# Altium PCB 400118.PcbDoc (part 1 of 3) (continued)
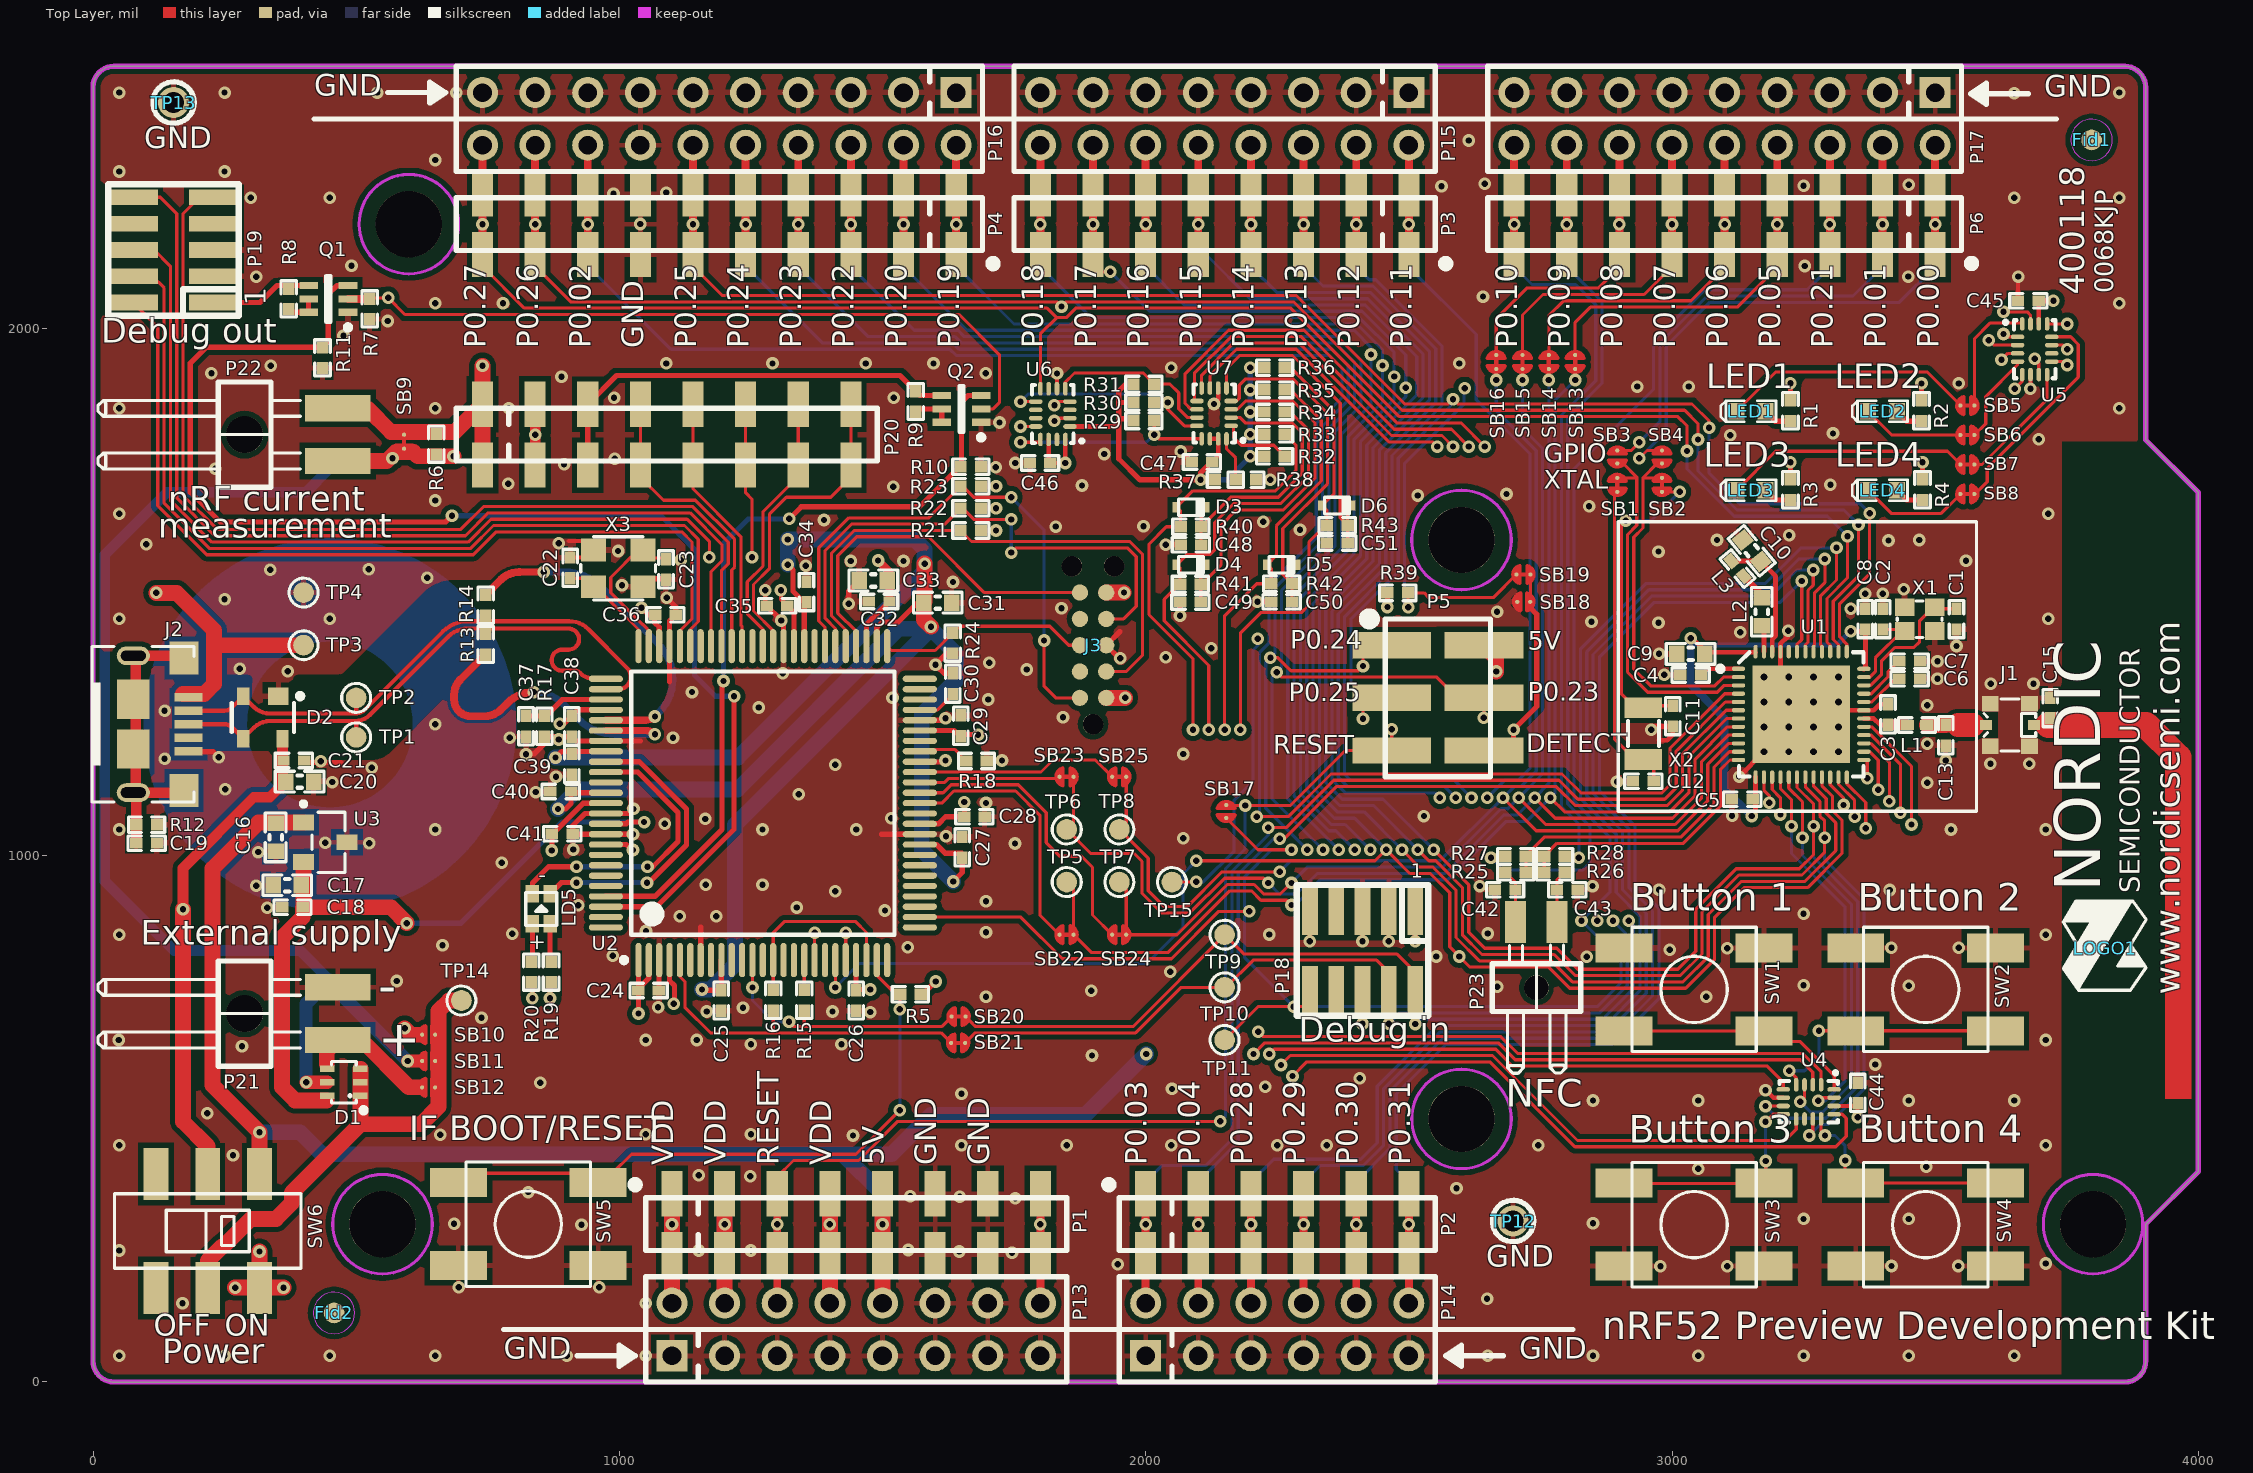
[diagram p0: Top Layer view]
## Footprints (in the part's own frame and the unit in brackets; to place one, negate y for a bottom-side part, rotate by r counter-clockwise, add the part's x,y. Pads: shape width x height; smd on the part's side, far side on the other; paste and mask are expansions set on the pad) (continued)
  rect 50x150 smd: 1(-100,-87.5) 2(-100,87.5) 3(0,-87.5) 4(0,87.5) 5(100,-87.5) 6(100,87.5)
  silkscreen extent -160,-140 150,100, body extent -150,-148 150,148, height 382
NORDIC_LOGO_M [mil] "Medium Nordic Logo"
  silkscreen extent -80,-78 90,80
QFN40P600X600X90-48N [mm] "QFN, 48-Leads, Body 6,0x6,0mm (max), Pitch 0,40mm, IPC Medium Density"
  oval 0.65x0.2 smd: 1(-3.025,2.2) 2(-3.025,1.8) 3(-3.025,1.4) 4(-3.025,1) 5(-3.025,0.6) 6(-3.025,0.2) 7(-3.025,-0.2) 8(-3.025,-0.6) 9(-3.025,-1) 10(-3.025,-1.4) 11(-3.025,-1.8) 12(-3.025,-2.2) 25(3.025,-2.2) 26(3.025,-1.8) 27(3.025,-1.4) 28(3.025,-1) 29(3.025,-0.6) 30(3.025,-0.2) 31(3.025,0.2) 32(3.025,0.6) 33(3.025,1) 34(3.025,1.4) 35(3.025,1.8) 36(3.025,2.2)
  oval 0.2x0.65 smd: 13(-2.2,-3.025) 14(-1.8,-3.025) 15(-1.4,-3.025) 16(-1,-3.025) 17(-0.6,-3.025) 18(-0.2,-3.025) 19(0.2,-3.025) 20(0.6,-3.025) 21(1,-3.025) 22(1.4,-3.025) 23(1.8,-3.025) 24(2.2,-3.025) 37(2.2,3.025) 38(1.8,3.025) 39(1.4,3.025) 40(1,3.025) 41(0.6,3.025) 42(0.2,3.025) 43(-0.2,3.025) 44(-0.6,3.025) 45(-1,3.025) 46(-1.4,3.025) 47(-1.8,3.025) 48(-2.2,3.025)
  rect 4.7x4.7 smd: 49(0,0)
  silkscreen extent -4.02,-3 3,3, body extent -3.02,-3.02 3.02,3.02, height 0.86
RESC1005X04L [mm] "Chip Resistor, 2-Leads, Body 1.0x0.5mm, IPC High Density"
  rect 0.6x0.55 smd: 1(-0.5,0) 2(0.5,0)
  silkscreen extent -0.88,-0.38 0.87,0.37, body extent -0.5,-0.25 0.5,0.25, height 0.3
SOCKET_1x6_SMD [mm] "Socket, 2.54mm, SMD"
  rect 1.02x2.19 smd: 1(0,-1.465) 1(0,1.465) 2(2.54,-1.465) 2(2.54,1.465) 3(5.08,-1.465) 3(5.08,1.465) 4(7.62,-1.465) 4(7.62,1.465) 5(10.16,-1.465) 5(10.16,1.465) 6(12.7,1.465) 6(12.7,-1.465)
  silkscreen extent -1.27,-1.27 13.97,1.27, body extent -1.27,-2.29 13.97,2.29, height 7.47
SOCKET_1x8_SMD [mm] "Socket, 2.54mm, SMD"
  rect 1.02x2.19 smd: 1(0,-1.465) 1(0,1.465) 2(2.54,-1.465) 2(2.54,1.465) 3(5.08,-1.465) 3(5.08,1.465) 4(7.62,-1.465) 4(7.62,1.465) 5(10.16,-1.465) 5(10.16,1.465) 6(12.7,1.465) 6(12.7,-1.465) 7(15.24,-1.465) 7(15.24,1.465) 8(17.78,-1.465) 8(17.78,1.465)
  silkscreen extent -1.27,-1.27 19.05,1.27, body extent -1.27,-2.29 19.05,2.29, height 7.47
SOCKET_1x9_SMD [mm] "Socket, 2.54mm, SMD"
  rect 1.02x2.19 smd: 1(0,1.465) 1(0,-1.465) 2(2.54,-1.465) 2(2.54,1.465) 3(5.08,-1.465) 3(5.08,1.465) 4(7.62,-1.465) 4(7.62,1.465) 5(10.16,-1.465) 5(10.16,1.465) 6(12.7,1.465) 6(12.7,-1.465) 7(15.24,-1.465) 7(15.24,1.465) 8(17.78,-1.465) 8(17.78,1.465) 9(20.32,-1.465) 9(20.32,1.465)
  silkscreen extent -1.27,-1.27 21.59,1.27, body extent -1.26,-2.3 21.6,2.28, height 7.47
SOCKET_1x10_SMD [mm] "Socket, 2.54mm, SMD"
  rect 1.02x2.19 smd: 1(0,1.465) 1(0,-1.465) 2(2.54,-1.465) 2(2.54,1.465) 3(5.08,-1.465) 3(5.08,1.465) 4(7.62,-1.465) 4(7.62,1.465) 5(10.16,-1.465) 5(10.16,1.465) 6(12.7,-1.465) 6(12.7,1.465) 7(15.24,-1.465) 7(15.24,1.465) 8(17.78,-1.465) 8(17.78,1.465) 9(20.32,-1.465) 9(20.32,1.465) 10(22.86,-1.465) 10(22.86,1.465)
  silkscreen extent -1.27,-1.27 24.13,1.27, body extent -1.27,-2.29 24.13,2.29, height 7.47
SOCKET_2x3_SMD-2.54mm-bottom [mm] "Socket, 2.54mm, SMD"
  rect 1.02x2.22 smd far side: 1(-2.54,-2.825) 2(-2.54,2.825) 3(0,-2.825) 4(0,2.825) 5(2.54,-2.825) 6(2.54,2.825)
SOD-523 [mm]
  rect 0.4x0.5 smd: 1(0.7,0) 3(-0.7,0)
  silkscreen extent -0.6,-0.4 0.6,0.4, body extent -0.8,-0.4 0.8,0.4, height 0.7
Solderbridge#1 [mm]
  round 0.2 smd paste-10: 1(0,0) 2(0.625,0)
  Top Layer region: 0.236,-0.432 0.16,-0.505 0.042,-0.467 -0.023,-0.424 -0.097,-0.351 -0.15,-0.292 -0.208,-0.193 -0.236,-0.099 -0.231,0.122 -0.206,0.193 -0.122,0.33 -0.038,0.411 0.054,0.469 0.155,0.5 0.206,0.483 0.236,0.43
  Top Layer region: 0.389,0.432 0.465,0.505 0.583,0.467 0.648,0.424 0.721,0.351 0.775,0.292 0.833,0.193 0.861,0.099 0.856,-0.122 0.831,-0.193 0.747,-0.33 0.663,-0.411 0.571,-0.469 0.47,-0.5 0.419,-0.483 0.389,-0.43
  Top Layer lines w0.152: 0.159,0.431 ccw(c0.27,0) 0.159,-0.431 ; 0.465,0.431 cw(c0.355,0) 0.465,-0.431
Solderbridge#2 [mm]
  round 0.2 smd paste-10: 1(0,0) 2(0.625,0)
  Top Layer region: 0.236,-0.432 0.16,-0.505 0.042,-0.467 -0.023,-0.424 -0.097,-0.351 -0.15,-0.292 -0.208,-0.193 -0.236,-0.099 -0.231,0.122 -0.206,0.193 -0.122,0.33 -0.038,0.411 0.054,0.469 0.155,0.5 0.206,0.483 0.236,0.43
  Top Layer region: 0.389,0.432 0.465,0.505 0.583,0.467 0.648,0.424 0.721,0.351 0.775,0.292 0.833,0.193 0.861,0.099 0.856,-0.122 0.831,-0.193 0.747,-0.33 0.663,-0.411 0.571,-0.469 0.47,-0.5 0.419,-0.483 0.389,-0.43
  Top Layer lines w0.152: 0.465,-0.431 ccw(c0.355,0) 0.774,0.149 ccw(c0.355,0) 0.465,0.431 ; 0.159,-0.431 cw(c0.27,0) -0.175,0 cw(c0.27,0) 0.025,0.371 cw(c0.27,0) 0.159,0.431
Solderbridge_Shorted [mm]
  round 0.2 smd paste-10: 1(0,0) 2(0.676,0)
  Top Layer region: 0.236,-0.432 0.16,-0.505 0.042,-0.467 -0.023,-0.424 -0.097,-0.351 -0.15,-0.292 -0.208,-0.193 -0.236,-0.099 -0.231,0.122 -0.206,0.193 -0.122,0.33 -0.038,0.411 0.054,0.469 0.155,0.5 0.206,0.483 0.236,0.43
  Top Layer region: 0.44,0.432 0.516,0.505 0.634,0.467 0.699,0.424 0.772,0.351 0.826,0.292 0.884,0.193 0.912,0.099 0.907,-0.122 0.881,-0.193 0.798,-0.33 0.714,-0.411 0.622,-0.469 0.521,-0.5 0.47,-0.483 0.44,-0.43
  Top Layer lines w0.152: 0.159,0.431 ccw(c0.27,0) 0.159,-0.431 ; 0.516,0.431 cw(c0.406,0) 0.516,-0.431
  Top Layer lines w0.203: 0,0 0.676,0
SOT65P210X100-6N [mm] "SOT23, 6-Leads, Body 2,2x2,4mm (max), Pitch 0,65mm, IPC Medium Density"
  rect 0.9x0.35 smd: 1(-0.95,0.65) 2(-0.95,0) 3(-0.95,-0.65) 4(0.95,-0.65) 5(0.95,0) 6(0.95,0.65)
  silkscreen extent -1.08,-1.1 0.1,1.5, body extent -1.05,-1 1.05,1, height 0.92
SOT190P230X110-4L [mm] "SOT143, 4-Leads, Body 3.0x2.5mm (max), Pitch 1.90mm, IPC High Density"
  rect 0.85x1 smd: 1(-1.025,0.75)
  rect 0.85x0.6 smd: 2(-1.025,-0.95) 3(1.025,-0.95) 4(1.025,0.95)
  silkscreen extent -1.15,-1.5 0.7,1.93, body extent -1.21,-1.46 1.21,1.46, height 1
SOT-23A [mil] "SOT-23 footprint"
  rect 30x40 smd: 1(0,0) 2(74.8,0) 3(37.4,82.68)
  silkscreen extent -39,-4 94,79, body extent -20,-5 95,87, height 39
SOT-363 [mm] "SOT-363 (SC88)"
  rect 0.3x0.7 smd: 1(0,0) 2(0.65,0) 3(1.3,0) 4(1.3,1.6) 5(0.65,1.6) 6(0,1.6)
  silkscreen extent -0.82,-0.27 1.65,1.4, body extent -0.35,-0.25 1.65,1.85, height 0.93
TC2050-IDC-NLFP [mil]
  round 39 hole 39 unplated: 0(-150,0) 0(150,-40) 0(150,40)
  round 31 smd paste-196.85: 1(-100,-25) 2(-50,-25) 3(0,-25) 4(50,-25) 5(100,-25) 6(100,25) 7(50,25) 8(0,25) 9(-50,25) 10(-100,25)
  Top Layer pour cut-out: -100,25 -100,-25 100,-25 100,25
TESTPAD-TH [mm]
  round 1.5 hole 1: 1(0,0)
  silkscreen extent -1,-1 1,1
TP_SMD_Ø1.0mm [mm]
  round 1 smd paste-5: 1(0,0)
  silkscreen extent -0.7,-0.7 0.7,0.7
TSQFP50P1600X1600X160-100N [mm] "TSQFP, 100-Leads, Body 16,0x16,0mm (max), Pitch 0,50mm, IPC Medium Density"
  oval 1.65x0.3 smd: 1(-7.575,6) 2(-7.575,5.5) 3(-7.575,5) 4(-7.575,4.5) 5(-7.575,4) 6(-7.575,3.5) 7(-7.575,3) 8(-7.575,2.5) 9(-7.575,2) 10(-7.575,1.5) 11(-7.575,1) 12(-7.575,0.5) 13(-7.575,0) 14(-7.575,-0.5) 15(-7.575,-1) 16(-7.575,-1.5) 17(-7.575,-2) 18(-7.575,-2.5) 19(-7.575,-3) 20(-7.575,-3.5) 21(-7.575,-4) 22(-7.575,-4.5) 23(-7.575,-5) 24(-7.575,-5.5) 25(-7.575,-6) 51(7.575,-6) 52(7.575,-5.5) 53(7.575,-5) 54(7.575,-4.5) 55(7.575,-4) 56(7.575,-3.5) 57(7.575,-3) 58(7.575,-2.5) 59(7.575,-2) 60(7.575,-1.5) 61(7.575,-1) 62(7.575,-0.5) 63(7.575,0) 64(7.575,0.5) 65(7.575,1) 66(7.575,1.5) 67(7.575,2) 68(7.575,2.5) 69(7.575,3) 70(7.575,3.5) 71(7.575,4) 72(7.575,4.5) 73(7.575,5) 74(7.575,5.5) 75(7.575,6)
  oval 0.3x1.65 smd: 26(-6,-7.575) 27(-5.5,-7.575) 28(-5,-7.575) 29(-4.5,-7.575) 30(-4,-7.575) 31(-3.5,-7.575) 32(-3,-7.575) 33(-2.5,-7.575) 34(-2,-7.575) 35(-1.5,-7.575) 36(-1,-7.575) 37(-0.5,-7.575) 38(0,-7.575) 39(0.5,-7.575) 40(1,-7.575) 41(1.5,-7.575) 42(2,-7.575) 43(2.5,-7.575) 44(3,-7.575) 45(3.5,-7.575) 46(4,-7.575) 47(4.5,-7.575) 48(5,-7.575) 49(5.5,-7.575) 50(6,-7.575) 76(6,7.575) 77(5.5,7.575) 78(5,7.575) 79(4.5,7.575) 80(4,7.575) 81(3.5,7.575) 82(3,7.575) 83(2.5,7.575) 84(2,7.575) 85(1.5,7.575) 86(1,7.575) 87(0.5,7.575) 88(0,7.575) 89(-0.5,7.575) 90(-1,7.575) 91(-1.5,7.575) 92(-2,7.575) 93(-2.5,7.575) 94(-3,7.575) 95(-3.5,7.575) 96(-4,7.575) 97(-4.5,7.575) 98(-5,7.575) 99(-5.5,7.575) 100(-6,7.575)
  silkscreen extent -7.7,-6.35 6.35,6.82, body extent -8,-8 8,8, height 1.6
XQFN40P180X260X50-16N [mm] "QFN, 16-Leads, Body 1.80x2.60mm, Pitch 0.40mm, IPC Medium Density"
  oval 0.65x0.22 smd paste-0.02 mask+0.062: 1(-0.825,0.6) 2(-0.825,0.2) 3(-0.825,-0.2) 4(-0.825,-0.6) 9(0.825,-0.6) 10(0.825,-0.2) 11(0.825,0.2) 12(0.825,0.6)
  oval 0.22x0.65 smd paste-0.02 mask+0.062: 5(-0.6,-1.225) 6(-0.2,-1.225) 7(0.2,-1.225) 8(0.6,-1.225) 13(0.6,1.225) 14(0.2,1.225) 15(-0.2,1.225) 16(-0.6,1.225)
  silkscreen extent -1.45,-1.4 1,1.4, body extent -0.91,-1.31 0.91,1.31, height 0.55
XTAL_3215 [mm] "XTAL SMD 3.2 x 1.5 mm"
  rect 1x1.8 smd: 1(-1.25,0) 2(1.25,0)
  silkscreen extent -0.6,-0.75 0.6,0.75, body extent -1.6,-0.75 1.6,0.75, height 0.81

## Part data
Bat1: library part "Bat Holder CR2032 SMD", "Bat Holder CR2032 SMD"
C1 C2 C11 C12: library part C0402-12p, "Capacitor, NP0, ±2%"
C3: library part C0402-0.8p, "Capacitor, NP0, ±5%"
C4 C5 C8 C18 C19 C21 C24 C25 C26 C27 C28 C29 C32 C34 C35 C36 C38 C39 C40 C41 C44 C45 C46 C47: library part C0402-100n, "Capacitor, X7R, ±10%"
C6 C13: library part C0402-N.C., "Not mounted"
C7: library part C0402-100p, "Capacitor, NP0, ±5%"
C9: library part C0603-4µ7, "Capacitor, X5R, ±10%"
C10 C16 C17: library part C0603-1µ0, "Capacitor, X7R, ±10%"
C15: library part C0402-1.2p, "Capacitor, NP0, ±0.1pF"
C20 C31 C33: library part C0603-10µ, "Capacitor, X5R, ±20%"
C22 C23: library part C0402-18p, "Capacitor, NP0, ±5%"
C30: library part C0402-10n, "Capacitor, X7R, ±10%"
C37: library part C0402-10p, "Capacitor, NP0, ±2%"
C42 C43: library part C0402-130p, "Chip Cap 0402"
C48 C49 C50 C51: library part C0402-1µ0, "Capacitor, X5R, ±5%"
D1: "Surface Mount Schottky Barrier Diode Array"
D2: "Ultra low capacitance double rail-to-rail ESD protection diode"
D3 D4 D5 D6: "Diode Schottky Vf=0.38, Vr=40V, If=200mA, Ir=500nA"
Fid1 Fid2: library part Fid-Mark, "Fiducial Mark"
J1: "Coaxial Connector with Switch"
J2: library part "FCI 10118193-0001LF", "MicroUSB-B-SMT"
J3: library part TC2050-IDC-NLFP, "CBL PLUG-OF-NAILS 10-PIN"
L1: library part L0402-3n9, "Inductor, 170mA, ±0.1nH"
L2: library part L0603-10µ, "Inductor, 80mA, ±10%"
L3: library part L0402-15n, "Inductor, 320mA, ±5%"
LD5: "Ultra bright AlInGaP Bi-Color LED"
LED1 LED2 LED3 LED4: library part EL19-21SYGC, "LED 0603, EL19-21SYGC"
LOGO1: "Nordic Logo, medium size"
P1 P3: library part "Socket 1x8 SMD", "Socket 1x8, 2.54mm (100mil), SMD"
P2: library part "Socket 1x6 SMD", "Socket 1x6, 2.54mm (100mil), SMD"
P4: library part "Socket 1x10 SMD", "Socket 1x10, 2.54mm (100mil), SMD"
P5: library part "Pin Header 2x3 SMD", "Pin Header 2x3, 2.54mm (100mil) SMD"
P6: library part "Socket 1x9 SMD", "Socket 1x9, 2.54mm (100mil), SMD"
P7 P9 P20: library part "Pin List 1x8 SMD", "Pin List 1x8, 2.54mm (100mil), SMD"
P8: library part "Pin List 1x6 SMD", "Pin List 1x6, 2.54mm (100mil), SMD"
P10: library part "Pin List 1x10 SMD", "Pin List 1x10, 2.54mm (100mil), SMD"
P11: library part "Socket 2x3 SMD Bottom", "Socket 2x3, 2.54mm (100mil), SMD"
P12: library part "Pin List 1x9 SMD", "Pin List 1x9, 2.54mm (100mil), SMD"
P13 P15: "Pin Header 2x8, 2.54mm (100mil)"
P14: "Pin Header 2x6, 2.54mm (100mil)"
P16: "Pin Header 2x10, 2.54mm (100mil)"
P17: "Pin Header 2x9, 2.54mm (100mil)"
P18 P19: library part "Samtec FTSH-105 Keying Shroud", "SAMTEC - CONN HEADER 10POS DUAL .05\" SMD KEYING SHROUD"
P21 P22: library part "Pin List Ang 1x2 SMD, 2.54mm", "Pin List 1x2, 2.54mm (100mil), Right Angled, SMD"
P23: library part "Pin List Ang 1x2 SMD, 2.00mm", "Pin List 1x2, 2.00mm, Right Angled, SMD"
Q1 Q2: library part FDG6321C_IPC, "Fairchild, FDG6321C, Dual N & P Channel Digital FET"
R1 R2 R3 R4 R19 R20: library part R0402-220, "Resistor, ±1%, 0.063W"
R5 R8 R9 R10 R11 R12: library part R0402-10k, "Resistor, ±1%, 0.063W"
R6 R27 R28 R37: library part R0402-N.C., "Not mounted"
R7: library part R0402-47k, "Resistor, ±1%, 0.063W"
R13 R14: library part R0402-39R, "Resistor, ±1%, 0.063W"
R15 R16: library part R0402-150, "Resistor, ±1%, 0.063W"
R17: library part R0402-6k8, "Resistor, ±1%, 0.063W"
R18: library part R0402-1k0, "Resistor, ±1%, 0.063W"
R21 R22 R23 R24 R29 R30: library part R0402-4k7, "Resistor, ±1%, 0.063W"
R25 R26 R38: library part R0402-0R, "Resistor, ±5%, 0.063W"
R31 R32: library part R0402-12k, "Resistor, ±1%, 0.063W"
R33 R34 R35 R36: library part R0402-100k, "Resistor, ±1%, 0.063W"
R39: library part R0402-1M0, "Resistor, ±1%, 0.063W"
R40 R41 R42 R43: library part R0402-18k, "Resistor, ±1%, 0.063W"
SB1 SB2 SB5 SB6 SB7 SB8 SB9 SB13 SB14 SB15 SB16 SB19 SB20 SB21 SB22 SB23 SB24 SB25: library part "Solderbridge Shorted", "Shorted Solderbridge"
SW1 SW2 SW3: library part ALPS_SKHUALE010, "ALPS - SKHUALE010 - TACTILE SWITCH, SPNO, SMD, 6.5x6.2x2.5mm"
SW4 SW5: library part ALPS_SKHUALE010, "ALPS - SKHUALE010 - Tactile Switch, SPNO, SMD, 6.5x6.2x2.5mm"
SW6: library part JS202011SCQN, "SMD slide Switch (ON-ON)"
TP1 TP2 TP3 TP4 TP5 TP6 TP7 TP8 TP9 TP10 TP11 TP14 TP15: library part TP_SMD_Ø1.0MM, "1.0mm circular SMD testpad"
TP12 TP13: library part "Testpoint TH", "Testpoint, through hole"
U1: "Multi-protocol Bluetooth Low Energy and 2.4GHz proprietary system-on-chip"
U2: "IC MCU 32bit 128kB flash 100LQFP"
U3: "300mA, Low Quiescent Current, Fast Transient Low Dropout Linear Regulator"
U4 U5 U6: library part NX3DV2567GU, "Low-ohmic four-pole double-throw analog switch"
U7: library part PCAL6408AHK, "8-bit I2C-bus I/O expander with interrupt output"
X1: library part XTAL_SMD2016_32MHz_8pF_Epson, "XTAL SMD 2016, 32MHz, Cl=8pF, Tol: ±10ppm, Stab: ±10ppm"
X2: library part "XTAL_FC-135 32.768k", "EPSON TOYOCOM - FC-135 32.768KHZ ±20PPM,9.0PF - CRYSTAL, SM, WATCH"
X3: library part "XTAL SMD 12MHz (3225)", "XTAL SMD 3225, 12MHz, 18pF, ±30ppm"

## Free pads (board coordinates)
  round 126 hole 126: 1(549.54,299.07) 1(599.54,2199.07) 1(2599.54,499.07) 1(2599.54,1599.07) 1(3799.54,299.07)

## Via types
v1: diameter 24, hole 12, Top Layer to Bottom Layer, tented both sides, 551 vias
v2: diameter 24, hole 12, Top Layer to Bottom Layer, 21 vias
v3: diameter 25.98, hole 12.99, Top Layer to Bottom Layer, tented both sides, 16 vias

## Nets (pads, with @x,y where several pads share a name; then routed paths per layer and width w, separated by ;. In a path a pad name is that pad's centre, name@x,y a point inside that pad or via, vN(x,y) a via of type N, cw(c..) or ccw(c..) an arc to the next point about the centre after c; other vN are vias at no path point)
ANT: C15.1 J1.3 | length 895.1
  Top Layer w50: 3715.41,1247.62 3900.02,1247.62 3961.41,1186.23 3961.41,562.55
BOOT: R5.1 SW5.1 U2.24 | length 1169.7
  Top Layer w6: SW5.1@720.66,395.81 986.41,395.81 1022.67,432.06 1449.14,432.06 v1(1532.54,515.46) ; U2.24@1488.68,800.84 1488.68,771.92 1524.54,736.06 R5.1@1532.85,736.06 ; v1(1532.54,707.46) R5.1@1532.54,735.75
  Bottom Layer w6: v1(1532.54,515.46) v1(1532.54,707.46)
BUTTON1: SW1.1 U4.16 | length 460.8
  Top Layer w6: SW1.1@2908.66,666.28 3174.41,666.28 3194.23,646.46 3242.2,646.46 3307.66,581.01 U4.16@3307.66,554.54
BUTTON1_EXT: C48.1 D3.3 R40.1 U7.2 | length 533
  Top Layer w6: C48.1@2104.44,1590.24 2104.44,1624.24 R40.1@2105.21,1624.24 ; D3.3@2113.31,1661.24 2105.21,1653.13 R40.1@2105.21,1624.24 ; U7.2@2161.95,1831.59 2179.27,1831.59 2189.77,1821.09 2278.52,1821.09 2297.16,1802.45 2297.16,1726.01 2251.39,1680.24 2161.21,1680.24 R40.1@2105.21,1624.24
BUTTON2: SW2.1 U4.4 | length 484.8
  Top Layer w6: v1(3222.2,590.46) 3235.58,577.09 U4.4@3235.58,563.95 ; v1(3278.66,666.72) 3614.06,666.72 SW2.1@3614.41,666.38
  Bottom Layer w6: v1(3222.2,590.46) 3251.54,590.46 3278.66,617.59 v1(3278.66,666.72)
BUTTON2_EXT: C49.2 D4.3 R41.1 U7.3 | length 706.9
  Top Layer w6: C49.2@2104.3,1481.24 R41.1@2104.3,1515.24 ; D4.3@2113.4,1552.24 2104.3,1543.13 R41.1@2104.3,1515.24 ; U7.3@2161.95,1847.34 2174.02,1847.34 2189.77,1863.09 2279.31,1863.09 2321.16,1821.24 2321.16,1716.06 2261.33,1656.24 2171.99,1656.24 2142.84,1627.09 2142.84,1552.24 2105.84,1515.24 R41.1@2104.3,1515.24
BUTTON3: SW3.1 U4.8 | length 419.2
  Top Layer w6: SW3.1@2908.55,376.66 SW3.1@3174.3,376.66 ; v1(3177.2,493.47) 3191.58,507.84 U4.8@3210.97,507.84 ; SW3.1@3177.55,379.91 v1(3177.55,419.1)
  Bottom Layer w6: v1(3177.2,493.47) 3177.2,419.45 v1(3177.55,419.1)
BUTTON3_EXT: C50.2 D5.3 R42.1 U7.4 | length 681.9
  Top Layer w6: U7.4@2161.95,1863.09 2172.47,1863.09 2177.47,1868.09 2177.47,1892.79 2189.77,1905.09 2279.31,1905.09 2345.16,1839.24 2345.16,1706.12 2259.84,1620.81 2259.84,1533.62 R42.1@2277.53,1515.93 ; C50.2@2277.53,1481.93 R42.1@2277.53,1515.93 ; D5.3@2285.4,1552.24 2277.53,1544.36 R42.1@2277.53,1515.93
BUTTON4: SW4.1 U4.12 | length 425.6
  Top Layer w6: U4.12@3282.82,498.98 3282.82,474.84 v1(3290.2,467.46) ; v1(3328.55,420.1) 3328.55,396.1 3347.55,377.1 SW4.1@3613.3,377.1
  Bottom Layer w6: v1(3290.2,467.46) 3309.18,467.46 3328.55,448.1 v1(3328.55,420.1)
BUTTON4_EXT: C51.1 D6.3 R43.1 U7.5 | length 612.4
  Top Layer w6: U7.5@2153.09,1887.69 2153.09,1924.49 2178.07,1949.46 2278.53,1949.46 2313.08,1914.91 2313.29,1914.91 2318.56,1909.64 ; 2318.56,1909.43 2369.29,1858.7 2369.29,1641.17 R43.1@2383.3,1627.16 ; C51.1@2383.3,1593.16 R43.1@2383.3,1627.16 ; D6.3@2390.4,1664.46 2383.3,1657.36 R43.1@2383.3,1627.16
CTS: SB22.2 U2.38 | length 499.2
  Top Layer w6: U2.38@1570.37,1099.07 1612.08,1099.07 1635.09,1122.07 1752.54,1122.06 1798.54,1076.06 1798.53,886.47 SB22.2@1835.94,849.06
DEC1: C4.1 U1.1 | length 76
  Top Layer w8: C4.1@3054.84,1342.39 3066.69,1354.24 U1.1@3125.91,1354.24
DEC2: C6.1 U1.32 | length 88.3
  Top Layer w6: U1.32@3364.09,1291.25 3379.3,1291.25 3423.67,1335.62 C6.1@3434,1335.62
DEC3: C7.1 U1.33 | length 96
  Top Layer w6: U1.33@3364.09,1306.99 3378.07,1306.99 3410,1338.92 3410,1348.81 C7.1@3429.06,1367.87
DEC4: C10.2 L3.1 U1.46 | length 241.3
  Top Layer w9: L3.1@3112.01,1558.95 C10.2@3167.43,1558.95 ; C10.2@3168.11,1558.27 3196.25,1530.13 3196.25,1416.94 3189.88,1410.57 U1.46@3189.88,1386.72
DFSD_N: R14.1 U2.80 | length 645
  Top Layer w13.78: 809.54,1538.07 v1(856.14,1538.07) ; U2.80@973.91,1256.65 1048.14,1256.65 ; 1049.86,1256.64 ccw(c1049.86,1281.08) v1@1067.14,1263.8
  Top Layer w15: R14.1@745.55,1494.69 774.35,1523.49 cw(c809.54,1488.31) 809.53,1538.06
  Bottom Layer w13.78: v1(856.14,1538.07) 895.72,1538.07 cw(c895.72,1438.06) 966.43,1508.78 1072.86,1402.35 cw(c1004.57,1334.06) 1101.14,1334.06 cw(c1013.35,1334.06) 1075.43,1271.99 v1(1067.14,1263.7)